# KiCad board Monorail_Diesel_Reduced.kicad_pcb
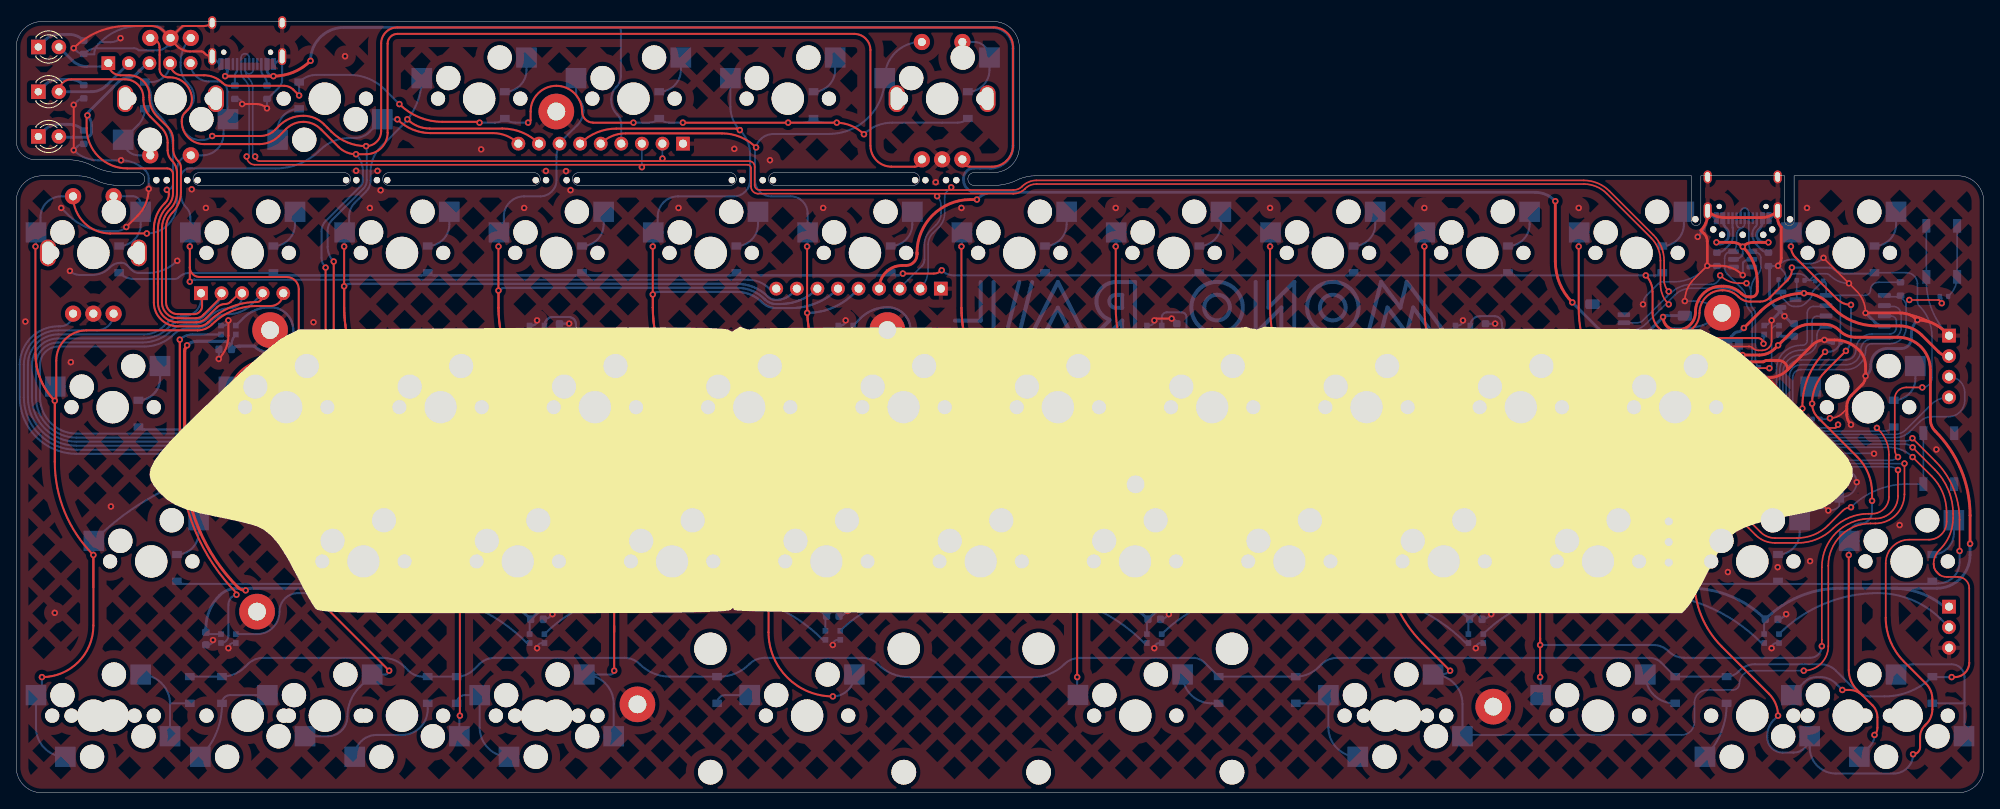
[diagram p0: board, top side]
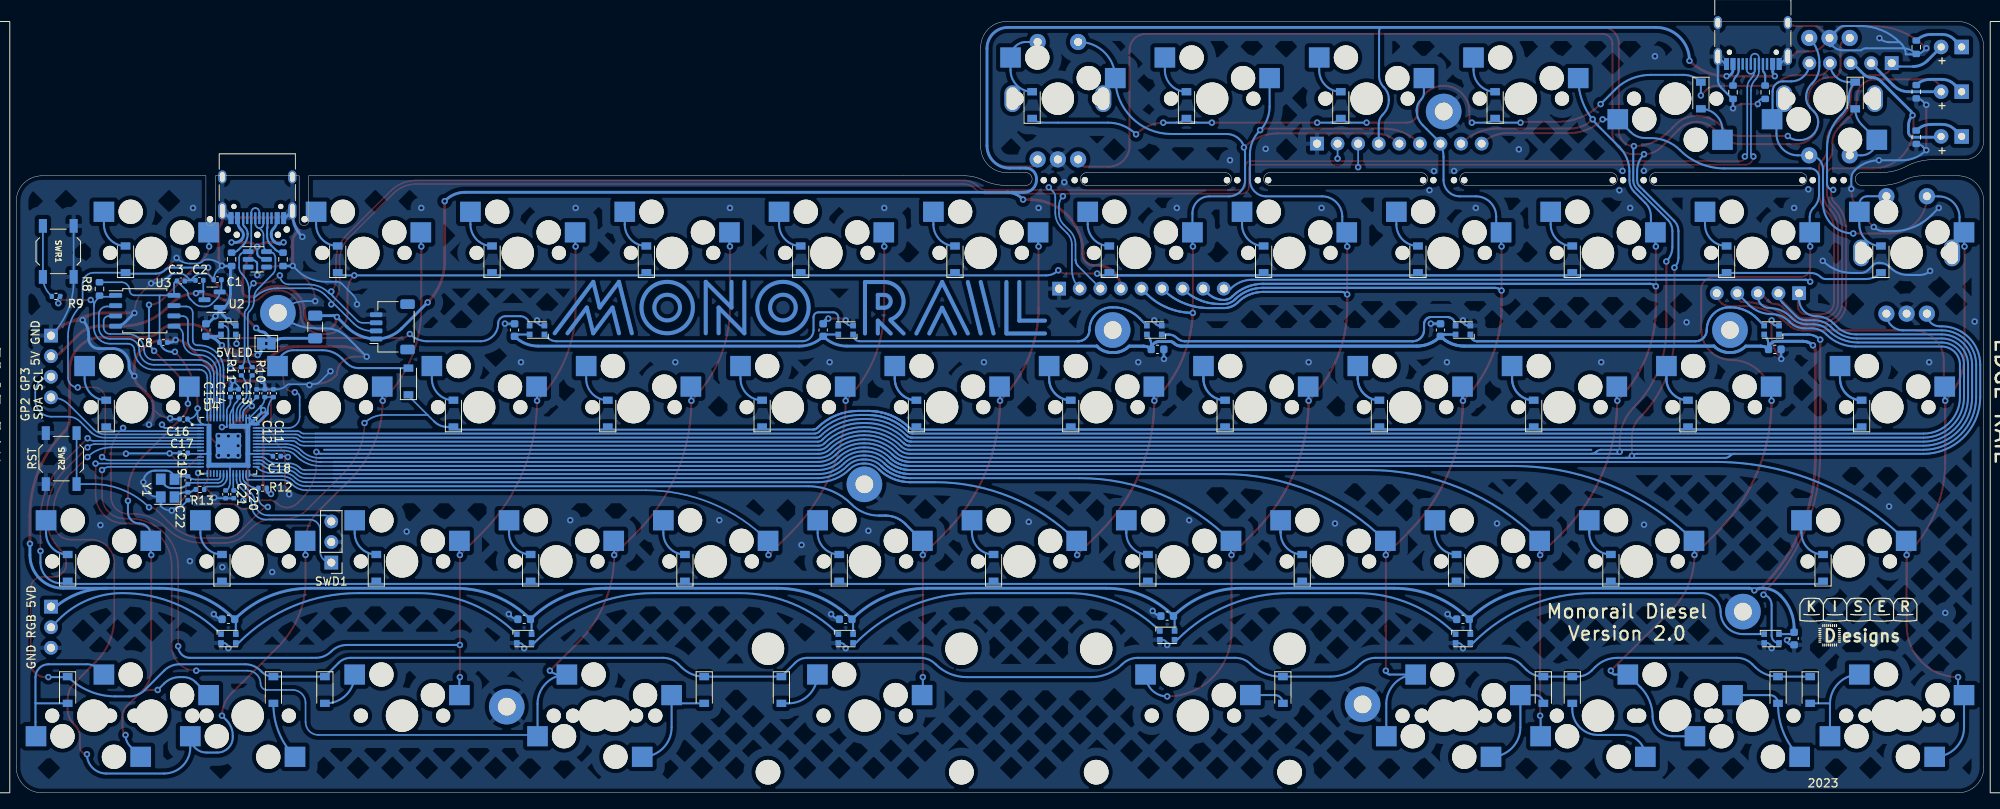
[diagram p1: board, bottom side, seen from below]

Outline 242.89 x 95.25 mm; copper layers: Top, Bottom. Coordinates in mm from the lower left corner of the outline.
Outline path: 0,92.07 arc(0.93,94.32) 3.18,95.25 120.65,95.25 arc(122.9,94.32) 123.82,92.07 123.82,79.77 arc(122.9,77.53) 120.65,76.6 118.27,76.6 arc(117.47,75.8) 118.27,75.01 120.65,75.01 arc(122.29,75.21) 123.82,75.8 arc(124.8,76.1) 125.81,76.2 206.77,76.2 206.77,70.64 arc(207.37,70.05) 207.96,70.64 207.96,76.2 218.28,76.2 218.28,70.64 arc(218.88,70.05) 219.47,70.64 219.47,76.2 239.71,76.2 arc(241.96,75.27) 242.89,73.02 242.89,3.17 arc(241.96,0.93) 239.71,0 3.18,0 arc(0.93,0.93) 0,3.17 0,73.02 arc(0.93,75.27) 3.18,76.2 7.54,76.2 arc(8.55,76.1) 9.52,75.8 arc(11.06,75.21) 12.7,75.01 15.08,75.01 arc(15.88,75.8) 15.08,76.6 12.7,76.6 arc(11.06,76.8) 9.52,77.39 arc(7.99,77.98) 6.35,78.18 2.38,78.18 arc(0.7,78.88) 0,80.57 0,92.07 ; 22.62,76.6 40.48,76.6 arc(41.27,75.8) 40.48,75.01 22.62,75.01 arc(21.83,75.8) 22.62,76.6 ; 46.04,75.01 arc(45.24,75.8) 46.04,76.6 63.9,76.6 arc(64.69,75.8) 63.9,75.01 46.04,75.01 ; 69.45,76.6 88.11,76.6 arc(88.9,75.8) 88.11,75.01 69.45,75.01 arc(68.66,75.8) 69.45,76.6 ; 93.66,76.6 110.73,76.6 arc(111.52,75.8) 110.73,75.01 93.66,75.01 arc(92.87,75.8) 93.66,76.6
Stack: Top 0.035mm / dielectric 1.51mm FR4 er 4.5 / Bottom 0.035mm

## Placement (name value [footprint] x y rotation side)
C1  10u  [C_0402_1005Metric]  218.03 63.37 0 bottom
C2  10u  [C_0402_1005Metric]  220.27 63.29 0 bottom
C3  100n  [C_0402_1005Metric]  222.56 63.21 180 bottom
C4  0.1uF  [C_0603_1608Metric]  67.07 57.15 90 bottom
C5  0.1uF  [C_0603_1608Metric]  143.27 57.15 90 bottom
C6  0.1uF  [C_0603_1608Metric]  181.37 57.15 90 bottom
C7  0.1uF  [C_0603_1608Metric]  219.47 57.15 90 bottom
C8  10u  [C_0402_1005Metric]  224.72 55.62 180 bottom
C9  0.1uF  [C_0603_1608Metric]  25.8 54.77 180 bottom
C10  0.1uF  [C_0603_1608Metric]  102 54.77 180 bottom
C11  100n  [C_0402_1005Metric]  211.14 49.35 90 bottom
C12  100n  [C_0402_1005Metric]  212.2 49.35 90 bottom
C13  1u  [C_0402_1005Metric]  213.2 49.35 90 bottom
C14  1u  [C_0402_1005Metric]  215.44 49.35 90 bottom
C15  100n  [C_0402_1005Metric]  216.44 49.35 90 bottom
C16  100n  [C_0402_1005Metric]  222.23 46.16 0 bottom
C17  100n  [C_0402_1005Metric]  222.19 41.96 0 bottom
C18  100n  [C_0402_1005Metric]  210.72 41.56 180 bottom
C19  30p  [C_0402_1005Metric]  221.7 38.61 90 bottom
C20  100n  [C_0402_1005Metric]  216.03 36.86 270 bottom
C21  100n  [C_0402_1005Metric]  217.03 36.86 270 bottom
C22  30p  [C_0402_1005Metric]  221.7 36.63 90 bottom
C23  0.1uF  [C_0603_1608Metric]  100.81 21.83 0 bottom
C24  0.1uF  [C_0603_1608Metric]  64.29 21.43 0 bottom
C25  0.1uF  [C_0603_1608Metric]  140.49 21.43 0 bottom
C26  0.1uF  [C_0603_1608Metric]  180.18 21.43 0 bottom
C27  0.1uF  [C_0603_1608Metric]  216.69 21.43 0 bottom
C28  0.1uF  [C_0603_1608Metric]  23.42 19.05 270 bottom
D1  LED  [LED_D3.0mm]  2.73 92.11 0 top
D2  LED  [LED_D3.0mm]  2.73 86.58 0 top
D3  LED  [LED_D3.0mm]  2.73 81.06 0 top
D4  D_Small  [D_SOD-123]  15.88 86.12 270 bottom
D5  D_Small  [D_SOD-123]  34.93 86.12 270 bottom
D6  D_Small  [D_SOD-123]  60.32 84.93 90 bottom
D7  D_Small  [D_SOD-123]  79.38 84.93 90 bottom
D8  D_Small  [D_SOD-123]  98.43 84.93 90 bottom
D9  D_Small  [D_SOD-123]  117.47 84.93 90 bottom
D10  D_Small  [D_SOD-123]  12.7 65.88 90 bottom
D11  D_Small  [D_SOD-123]  31.75 65.88 90 bottom
D12  D_Small  [D_SOD-123]  50.8 65.88 90 bottom
D13  D_Small  [D_SOD-123]  69.85 65.88 90 bottom
D14  D_Small  [D_SOD-123]  88.9 65.88 90 bottom
D15  D_Small  [D_SOD-123]  107.95 65.88 90 bottom
D16  D_Small  [D_SOD-123]  127 65.88 90 bottom
D17  D_Small  [D_SOD-123]  146.05 65.88 90 bottom
D18  D_Small  [D_SOD-123]  165.1 65.88 90 bottom
D19  D_Small  [D_SOD-123]  184.15 65.88 90 bottom
D20  D_Small  [D_SOD-123]  203.2 65.88 90 bottom
D21  D_Small  [D_SOD-123]  229.39 65.88 90 bottom
D22  WS2812B  [LED_WS2812B_2020]  26.19 57.15 180 bottom
D23  WS2812B  [LED_WS2812B_2020]  64.29 57.15 180 bottom
D24  WS2812B  [LED_WS2812B_2020]  102.39 57.15 180 bottom
D25  WS2812B  [LED_WS2812B_2020]  140.49 57.15 180 bottom
D26  WS2812B  [LED_WS2812B_2020]  178.59 57.15 180 bottom
D27  WS2812B  [LED_WS2812B_2020]  216.69 57.15 180 bottom
D28  D_Small  [D_SOD-123]  194.47 50.8 90 bottom
D29  D_Small  [D_SOD-123]  15.08 46.83 90 bottom
D30  D_Small  [D_SOD-123]  36.51 46.83 90 bottom
D31  D_Small  [D_SOD-123]  55.56 46.83 90 bottom
D32  D_Small  [D_SOD-123]  74.61 46.83 90 bottom
D33  D_Small  [D_SOD-123]  93.66 46.83 90 bottom
D34  D_Small  [D_SOD-123]  112.71 46.83 90 bottom
D35  D_Small  [D_SOD-123]  131.76 46.83 90 bottom
D36  D_Small  [D_SOD-123]  150.81 46.83 90 bottom
D37  D_Small  [D_SOD-123]  169.86 46.83 90 bottom
D38  D_Small  [D_SOD-123]  188.91 46.83 90 bottom
D39  D_Small  [D_SOD-123]  231.78 46.83 90 bottom
D40  D_Small  [D_SOD-123]  19.84 27.78 90 bottom
D41  D_Small  [D_SOD-123]  46.04 27.78 90 bottom
D42  D_Small  [D_SOD-123]  65.09 27.78 90 bottom
D43  D_Small  [D_SOD-123]  84.14 27.78 90 bottom
D44  D_Small  [D_SOD-123]  103.19 27.78 90 bottom
D45  D_Small  [D_SOD-123]  122.24 27.78 90 bottom
D46  D_Small  [D_SOD-123]  141.29 27.78 90 bottom
D47  D_Small  [D_SOD-123]  160.34 27.78 90 bottom
D48  D_Small  [D_SOD-123]  179.39 27.78 90 bottom
D49  D_Small  [D_SOD-123]  198.44 27.78 90 bottom
D50  D_Small  [D_SOD-123]  217.49 27.78 90 bottom
D51  D_Small  [D_SOD-123]  236.54 27.78 90 bottom
D52  WS2812B  [LED_WS2812B_2020]  100.81 19.45 0 bottom
D53  WS2812B  [LED_WS2812B_2020]  26.19 19.05 0 bottom
D54  WS2812B  [LED_WS2812B_2020]  64.29 19.05 0 bottom
D55  WS2812B  [LED_WS2812B_2020]  140.49 19.05 0 bottom
D56  WS2812B  [LED_WS2812B_2020]  180.18 19.05 0 bottom
D57  WS2812B  [LED_WS2812B_2020]  216.69 19.05 0 bottom
D58  D_Small  [D_SOD-123]  21.43 12.7 270 bottom
D59  D_Small  [D_SOD-123]  25.4 12.7 270 bottom
D60  D_Small  [D_SOD-123]  50.8 12.7 270 bottom
D61  D_Small  [D_SOD-123]  54.37 12.7 270 bottom
D62  D_Small  [D_SOD-123]  86.52 12.7 270 bottom
D63  D_Small  [D_SOD-123]  148.43 12.7 270 bottom
D64  D_Small  [D_SOD-123]  157.96 12.7 270 bottom
D65  D_Small  [D_SOD-123]  204.79 12.7 270 bottom
D66  D_Small  [D_SOD-123]  211.14 12.7 270 bottom
D67  D_Small  [D_SOD-123]  236.54 12.7 270 bottom
F1  500mA  [Fuse_1206_3216Metric]  205.98 57.53 90 bottom
G***  -  [LOGO]  121.44 38.1 0 top
G***#2  -  [LOGO]  121.44 38.1 0 top
G***#3  -  [LOGO]  15.48 21.03 180 bottom
H1  MountingHole_Pad  [Minivan-reference]  121.44 40.48 0 top
J1  Conn_01x05  [PinHeader_1x05_P2.54mm_Vertical]  11.37 90.11 90 top
J2  Conn_01x09  [PinHeader_1x09_P2.54mm_Vertical]  82.31 80.17 270 top
J3  Conn_01x09  [PinHeader_1x09_P2.54mm_Vertical]  114.14 62.26 270 top
J4  Conn_01x05  [PinHeader_1x05_P2.54mm_Vertical]  22.81 61.7 90 top
J5  USB_C_Receptacle_USB2.0  [USB_C_Receptacle_HRO_TYPE-C-31-M-12]  28.51 94.06 0 bottom
J6  USB_C_Receptacle_USB2.0  [USB_C_Receptacle_HRO_TYPE-C-31-M-12]  213.12 75.01 0 bottom
J7  Conn_01x04_Female  [JST_SH_SM04B-SRSS-TB_1x04-1MP_P1.00mm_Horizontal]  196.45 57.55 90 bottom
J8  Conn_01x04_Male  [PinHeader_1x04_P2.54mm_Vertical]  238.59 56.46 180 bottom
J9  Conn_01x03_Male  [PinHeader_1x03_P2.54mm_Vertical]  238.59 22.99 180 bottom
JP1  SolderJumper_2_Bridged  [SolderJumper-2_P1.3mm_Bridged2Bar_Pad1.0x1.5mm]  212.01 55.48 0 bottom
MX1  MX-NoLED  [MXOnly-1U-Hotswap]  114.3 85.72 0 top
MX2  MX-NoLED  [MXOnly-1U-Hotswap]  95.25 85.72 0 top
MX3  MX-NoLED  [MXOnly-1U-Hotswap]  76.2 85.72 0 top
MX4  MX-NoLED  [MXOnly-1U-Hotswap]  57.15 85.72 0 top
MX5  MX-NoLED  [MXOnly-1U-Hotswap]  38.1 85.72 180 top
MX6  MX-NoLED  [MXOnly-1U-Hotswap]  19.05 85.72 180 top
MX7  MX-NoLED  [MXOnly-1.75U-Hotswap]  226.22 66.67 0 top
MX8  MX-NoLED  [MXOnly-1U-Hotswap]  200.03 66.67 0 top
MX9  MX-NoLED  [MXOnly-1U-Hotswap]  180.97 66.67 0 top
MX10  MX-NoLED  [MXOnly-1U-Hotswap]  161.92 66.67 0 top
MX11  MX-NoLED  [MXOnly-1U-Hotswap]  142.88 66.67 0 top
MX12  MX-NoLED  [MXOnly-1U-Hotswap]  123.82 66.67 0 top
MX13  MX-NoLED  [MXOnly-1U-Hotswap]  104.78 66.67 0 top
MX14  MX-NoLED  [MXOnly-1U-Hotswap]  85.72 66.67 0 top
MX15  MX-NoLED  [MXOnly-1U-Hotswap]  66.68 66.67 0 top
MX16  MX-NoLED  [MXOnly-1U-Hotswap]  47.63 66.67 0 top
MX17  MX-NoLED  [MXOnly-1U-Hotswap]  28.58 66.67 0 top
MX18  MX-NoLED  [MXOnly-1U-Hotswap]  9.52 66.67 0 top
MX19  MX-NoLED  [MXOnly-1U-Hotswap]  147.64 47.62 0 top
MX20  MX-NoLED  [MXOnly-1.5U-Hotswap]  228.6 47.62 0 top
MX21  MX-NoLED  [MXOnly-1U-Hotswap]  204.79 47.62 0 top
MX22  MX-NoLED  [MXOnly-1U-Hotswap]  185.74 47.62 0 top
MX23  MX-NoLED  [MXOnly-1U-Hotswap]  166.69 47.62 0 top
MX24  MX-NoLED  [MXOnly-1U-Hotswap]  128.59 47.62 0 top
MX25  MX-NoLED  [MXOnly-1U-Hotswap]  109.54 47.62 0 top
MX26  MX-NoLED  [MXOnly-1U-Hotswap]  90.49 47.62 0 top
MX27  MX-NoLED  [MXOnly-1U-Hotswap]  71.44 47.62 0 top
MX28  MX-NoLED  [MXOnly-1U-Hotswap]  52.39 47.62 0 top
MX29  MX-NoLED  [MXOnly-1U-Hotswap]  33.34 47.62 0 top
MX30  MX-NoLED  [MXOnly-1.25U-Hotswap]  11.91 47.62 0 top
MX31  MX-NoLED  [MXOnly-1U-Hotswap]  233.36 28.57 0 top
MX32  MX-NoLED  [MXOnly-1U-Hotswap]  214.31 28.57 0 top
MX33  MX-NoLED  [MXOnly-1U-Hotswap]  195.26 28.57 0 top
MX34  MX-NoLED  [MXOnly-1U-Hotswap]  176.21 28.57 0 top
MX35  MX-NoLED  [MXOnly-1U-Hotswap]  157.16 28.57 0 top
MX36  MX-NoLED  [MXOnly-1U-Hotswap]  138.11 28.57 0 top
MX37  MX-NoLED  [MXOnly-1U-Hotswap]  119.06 28.57 0 top
MX38  MX-NoLED  [MXOnly-1U-Hotswap]  100.01 28.57 0 top
MX39  MX-NoLED  [MXOnly-1U-Hotswap]  80.96 28.57 0 top
MX40  MX-NoLED  [MXOnly-1U-Hotswap]  61.91 28.57 0 top
MX41  MX-NoLED  [MXOnly-1U-Hotswap]  42.86 28.57 0 top
MX42  MX-NoLED  [MXOnly-1.75U-Hotswap]  16.67 28.57 0 top
MX43  MX-NoLED  [MXOnly-1U-Hotswap]  233.36 9.52 180 top
MX44  MX-NoLED  [MXOnly-1.75U-Hotswap]  226.22 9.52 0 top
MX45  MX-NoLED  [MXOnly-1U-Hotswap]  214.31 9.52 180 top
MX46  MX-NoLED  [MXOnly-1.5U-Hotswap]  195.26 9.52 0 top
MX47  MX-NoLED  [MXOnly-1.5U-Hotswap]  171.45 9.52 180 top
MX48  MX-NoLED  [MXOnly-1.25U-Hotswap]  169.07 9.52 0 top
MX49  MX-NoLED  [MXOnly-2U-Hotswap-ReversedStabilizers]  138.14 9.53 0 top
MX50  MX-NoLED  [MXOnly-2.25U-Hotswap-ReversedStabilizers]  97.63 9.53 0 top
MX51  MX-NoLED  [MXOnly-1U-Hotswap]  66.68 9.52 180 top
MX52  MX-NoLED  [MXOnly-1.25U-Hotswap]  64.29 9.52 0 top
MX53  MX-NoLED  [MXOnly-1U-Hotswap]  47.63 9.52 180 top
MX54  MX-NoLED  [MXOnly-1.5U-Hotswap]  38.1 9.52 0 top
MX55  MX-NoLED  [MXOnly-1U-Hotswap]  28.58 9.52 180 top
MX56  MX-NoLED  [MXOnly-1.25U-Hotswap]  11.91 9.52 180 top
MX57  MX-NoLED  [MXOnly-1U-Hotswap]  9.52 9.52 0 top
NOREF  -  [unnamed]  66.68 84.14 0 top
R1  470  [R_0603_1608Metric]  8.33 92.07 270 bottom
R2  470  [R_0603_1608Metric]  8.33 86.58 270 bottom
R3  5.1k  [R_0603_1608Metric]  26.99 86.52 90 bottom
R4  5.1k  [R_0603_1608Metric]  30.96 86.52 90 bottom
R5  470  [R_0603_1608Metric]  8.33 80.96 270 bottom
R6  5.1k  [R_0603_1608Metric]  209.95 65.88 90 bottom
R7  5.1k  [R_0603_1608Metric]  216.3 65.88 90 bottom
R8  -10k  [R_0603_1608Metric]  232.61 62.23 270 bottom
R9  1k  [R_0402_1005Metric]  237.98 61.31 0 bottom
R10  27  [R_0402_1005Metric]  213.76 52.06 90 bottom
R11  27  [R_0402_1005Metric]  215.09 52.06 90 bottom
R12  5.1k  [R_0402_1005Metric]  212.47 37.63 0 bottom
R13  1k  [R_0402_1005Metric]  220.2 37.46 180 bottom
REF**  -  [breakaway-mousebites]  19.84 75.41 0 top
REF**#2  -  [breakaway-mousebites]  66.68 75.41 0 top
REF**#3  breakaway-mousebites  [breakaway-mousebites#2]  213.12 68.66 0 top
REF**#4  -  [breakaway-mousebites]  113.51 75.41 0 top
REF**#5  -  [breakaway-mousebites]  90.88 75.41 0 top
REF**#6  breakaway-mousebites  [breakaway-mousebites#3]  217.99 69.97 30 top
REF**#7  -  [breakaway-mousebites]  43.26 75.41 0 top
REF**#8  breakaway-mousebites  [breakaway-mousebites#3]  208.26 69.98 330 top
SW1  RotaryEncoder_Switch  [RotaryEncoder_Alps_EC11E-Switch_Vertical_H20mm]  114.3 85.72 90 top
SW2  RotaryEncoder_Switch  [RotaryEncoder_Alps_EC11E-Switch_Vertical_H20mm]  19.05 85.72 270 bottom
SW3  RotaryEncoder_Switch  [RotaryEncoder_Alps_EC11E-Switch_Vertical_H20mm]  9.52 66.67 90 bottom
SWD1  Conn_01x03_Female  [PinHeader_1x03_P2.54mm_Vertical]  203.99 28.43 0 bottom
SWR1  SW_SPST  [SW_SPST_TL3342]  237.69 66.86 270 bottom
SWR2  SW_SPST  [SW_SPST_TL3342]  237.33 41.27 90 bottom
U1  SRV05-4  [SOT-23-6]  213.12 65.88 180 bottom
U2  XC6206PxxxMR  [SOT-23]  218.71 60.9 0 bottom
U3  W25Q128JVS  [SOIC-8_5.23x5.23mm_P1.27mm]  227.01 59.53 180 bottom
U4  RP2040TR7  [QFN40P700X700X90-57N]  216.69 42.86 180 bottom
Y1  Crystal_GND24_Small  [Crystal_SMD_3225-4Pin_3.2x2.5mm]  224.2 37.63 90 bottom

## Library data of the parts
D22-D27 D52-D57 = -: Field4: 1
U4 = -: MANUFACTURER: Raspberry Pi; MAXIMUM_PACKAGE_HEIGHT: 0.9mm; PARTREV: 1.7.1; STANDARD: IPC 7351B

## Footprints (pads in the part's own frame, mm; a bottom-side part is the same pattern mirrored in y, then rotated)
breakaway-mousebites
  round 0.787 hole 0.787 unplated: (-2.54,0.254) (-1.27,0.254) (1.27,0.254) (2.54,0.254)
breakaway-mousebites#2
  round 0.787 hole 0.787 unplated: (-2.54,0.254) (0,0.254) (2.54,0.254)
breakaway-mousebites#3
  round 0.787 hole 0.787 unplated: (-1.27,0.254) (1.27,0.254)
C_0402_1005Metric
  rrect 0.56x0.62 smd: 1(-0.48,0) 2(0.48,0)
C_0603_1608Metric
  rrect 0.9x0.95 smd: 1(-0.775,0) 2(0.775,0)
Crystal_SMD_3225-4Pin_3.2x2.5mm
  rect 1.4x1.2 smd: 1(-1.1,-0.85) 2(1.1,-0.85) 3(1.1,0.85) 4(-1.1,0.85)
D_SOD-123
  rect 0.9x1.2 smd: 1(-1.65,0) 2(1.65,0)
Fuse_1206_3216Metric
  rrect 1.25x1.75 smd: 1(-1.4,0) 2(1.4,0)
JST_SH_SM04B-SRSS-TB_1x04-1MP_P1.00mm_Horizontal
  rrect 0.6x1.55 smd: 1(-1.5,2) 2(-0.5,2) 3(0.5,2) 4(1.5,2)
  rrect 1.2x1.8 smd: MP(-2.8,-1.875) MP(2.8,-1.875)
LED_D3.0mm
  rect 1.8x1.8 hole 0.9: 1(0,0)
  round 1.8 hole 0.9: 2(2.54,0)
LED_WS2812B_2020
  rect 0.7x0.7 smd: 1(-0.915,-0.55) 2(0.915,-0.55) 3(0.915,0.55) 4(-0.915,0.55)
Minivan-reference
  round 4.4 hole 2.2: 1(-91.709,-18.106) 1(-90.109,16.668) 1(-44.759,-29.556) 1(-13.909,16.668) 1(16.741,-2.382) 1(60.891,-29.841) 1(89.141,18.794)
MXOnly-1.5U-Hotswap
  round 1.75 hole 1.75 unplated: (-5.08,0) (5.08,0)
  round 3 hole 3 unplated: (-3.81,2.54) (2.54,5.08)
  round 3.988 hole 3.988 unplated: (0,0)
  rect 2.55x2.5 smd far side: 1(-7.085,2.54) 2(5.842,5.08)
MXOnly-1.25U-Hotswap
  round 1.75 hole 1.75 unplated: (-5.08,0) (5.08,0)
  round 3 hole 3 unplated: (-3.81,2.54) (2.54,5.08)
  round 3.988 hole 3.988 unplated: (0,0)
  rect 2.55x2.5 smd far side: 1(-7.085,2.54) 2(5.842,5.08)
MXOnly-1.75U-Hotswap
  round 1.75 hole 1.75 unplated: (-5.08,0) (5.08,0)
  round 3 hole 3 unplated: (-3.81,2.54) (2.54,5.08)
  round 3.988 hole 3.988 unplated: (0,0)
  rect 2.55x2.5 smd far side: 1(-7.085,2.54) 2(5.842,5.08)
MXOnly-1U-Hotswap
  round 1.75 hole 1.75 unplated: (-5.08,0) (5.08,0)
  round 3 hole 3 unplated: (-3.81,2.54) (2.54,5.08)
  round 3.988 hole 3.988 unplated: (0,0)
  rect 2.55x2.5 smd far side: 1(-7.085,2.54) 2(5.842,5.08)
MXOnly-2.25U-Hotswap-ReversedStabilizers
  round 3.988 hole 3.988 unplated: (-11.938,8.255) (0,0) (11.938,8.255)
  round 3.048 hole 3.048 unplated: (-11.938,-6.985) (11.938,-6.985)
  round 1.75 hole 1.75 unplated: (-5.08,0) (5.08,0)
  round 3 hole 3 unplated: (-3.81,2.54) (2.54,5.08)
  rect 2.55x2.5 smd far side: 1(-7.085,2.54) 2(5.842,5.08)
MXOnly-2U-Hotswap-ReversedStabilizers
  round 3.988 hole 3.988 unplated: (-11.938,8.255) (0,0) (11.938,8.255)
  round 3.048 hole 3.048 unplated: (-11.938,-6.985) (11.938,-6.985)
  round 1.75 hole 1.75 unplated: (-5.08,0) (5.08,0)
  round 3 hole 3 unplated: (-3.81,2.54) (2.54,5.08)
  rect 2.55x2.5 smd far side: 1(-7.085,2.54) 2(5.842,5.08)
PinHeader_1x03_P2.54mm_Vertical
  rect 1.7x1.7 hole 1: 1(0,0)
  oval 1.7x1.7 hole 1: 2(0,-2.54) 3(0,-5.08)
PinHeader_1x04_P2.54mm_Vertical
  rect 1.7x1.7 hole 1: 1(0,0)
  oval 1.7x1.7 hole 1: 2(0,-2.54) 3(0,-5.08) 4(0,-7.62)
PinHeader_1x05_P2.54mm_Vertical
  rect 1.7x1.7 hole 1: 1(0,0)
  oval 1.7x1.7 hole 1: 2(0,-2.54) 3(0,-5.08) 4(0,-7.62) 5(0,-10.16)
PinHeader_1x09_P2.54mm_Vertical
  rect 1.7x1.7 hole 1: 1(0,0)
  oval 1.7x1.7 hole 1: 2(0,-2.54) 3(0,-5.08) 4(0,-7.62) 5(0,-10.16) 6(0,-12.7) 7(0,-15.24) 8(0,-17.78) 9(0,-20.32)
QFN40P700X700X90-57N
  rrect 0.84x0.2 smd: 1(-3.435,2.6) 2(-3.435,2.2) 3(-3.435,1.8) 4(-3.435,1.4) 5(-3.435,1) 6(-3.435,0.6) 7(-3.435,0.2) 8(-3.435,-0.2) 9(-3.435,-0.6) 10(-3.435,-1) 11(-3.435,-1.4) 12(-3.435,-1.8) 13(-3.435,-2.2) 14(-3.435,-2.6) 29(3.435,-2.6) 30(3.435,-2.2) 31(3.435,-1.8) 32(3.435,-1.4) 33(3.435,-1) 34(3.435,-0.6) 35(3.435,-0.2) 36(3.435,0.2) 37(3.435,0.6) 38(3.435,1) 39(3.435,1.4) 40(3.435,1.8) 41(3.435,2.2) 42(3.435,2.6)
  rrect 0.2x0.84 smd: 15(-2.6,-3.435) 16(-2.2,-3.435) 17(-1.8,-3.435) 18(-1.4,-3.435) 19(-1,-3.435) 20(-0.6,-3.435) 21(-0.2,-3.435) 22(0.2,-3.435) 23(0.6,-3.435) 24(1,-3.435) 25(1.4,-3.435) 26(1.8,-3.435) 27(2.2,-3.435) 28(2.6,-3.435) 43(2.6,3.435) 44(2.2,3.435) 45(1.8,3.435) 46(1.4,3.435) 47(1,3.435) 48(0.6,3.435) 49(0.2,3.435) 50(-0.2,3.435) 51(-0.6,3.435) 52(-1,3.435) 53(-1.4,3.435) 54(-1.8,3.435) 55(-2.2,3.435) 56(-2.6,3.435)
  rect 3.1x3.1 smd: 57(0,0)
R_0402_1005Metric
  rrect 0.54x0.64 smd: 1(-0.51,0) 2(0.51,0)
R_0603_1608Metric
  rrect 0.8x0.95 smd: 1(-0.825,0) 2(0.825,0)
RotaryEncoder_Alps_EC11E-Switch_Vertical_H20mm
  round 2 hole 1: A(-7.5,2.5) B(-7.5,-2.5) C(-7.5,0) S1(7,-2.5) S2(7,2.5)
  rrect 3.3x2 hole 2.8x1.5: MP(0,5.6) MP(0,-5.6)
SOIC-8_5.23x5.23mm_P1.27mm
  rrect 1.6x0.6 smd: 1(-3.6,1.905) 2(-3.6,0.635) 3(-3.6,-0.635) 4(-3.6,-1.905) 5(3.6,-1.905) 6(3.6,-0.635) 7(3.6,0.635) 8(3.6,1.905)
SolderJumper-2_P1.3mm_Bridged2Bar_Pad1.0x1.5mm
  rect 1x1.5 smd: 1(-0.65,0) 2(0.65,0)
SOT-23
  rrect 1.475x0.6 smd: 1(-0.938,0.95) 2(-0.938,-0.95) 3(0.938,0)
SOT-23-6
  rrect 1.325x0.6 smd: 1(-1.137,0.95) 2(-1.137,0) 3(-1.137,-0.95) 4(1.137,-0.95) 5(1.137,0) 6(1.137,0.95)
SW_SPST_TL3342
  rect 1.7x1 smd: 1(-3.15,1.9) 1(3.15,1.9) 2(-3.15,-1.9) 2(3.15,-1.9)
unnamed
  round 4.4 hole 2.2: 1(0,0)
USB_C_Receptacle_HRO_TYPE-C-31-M-12
  round 0.65 hole 0.65 unplated: (-2.89,2.6) (2.89,2.6)
  rect 0.6x1.45 smd: A1(-3.25,4.045) A4(-2.45,4.045) A9(2.45,4.045) A12(3.25,4.045) B1(3.25,4.045) B4(2.45,4.045) B9(-2.45,4.045) B12(-3.25,4.045)
  rect 0.3x1.45 smd: A5(-1.25,4.045) A6(-0.25,4.045) A7(0.25,4.045) A8(1.25,4.045) B5(1.75,4.045) B6(0.75,4.045) B7(-0.75,4.045) B8(-1.75,4.045)
  oval 1x1.6 hole 0.6x1.2: S1(-4.32,-1.05) S1(4.32,-1.05)
  oval 1x2.1 hole 0.6x1.7: S1(-4.32,3.13) S1(4.32,3.13)

## Nets
+1V1: C13.1 C15.1 C20.1 U4.23 U4.45 U4.50
+3V3: C1.1 C3.1 C8.1 C11.1 C12.1 C14.1 C16.1 C17.1 C18.1 C21.1 R8.1 R12.1 U2.2 U3.8 U4.1 U4.10 U4.22 U4.33 U4.42 U4.43 U4.44 U4.48 U4.49
+5V: C2.1 F1.1 J8.2 JP1.1 U2.3
+5VD: C4.1 C5.1 C6.1 C7.1 C9.1 C10.1 C23.1 C24.1 C25.1 C26.1 C27.1 C28.1 D22.1 D23.1 D24.1 D25.1 D26.1 D27.1 D52.1 D53.1 D54.1 D55.1 D56.1 D57.1 J9.1 JP1.2
GND: C1.2 C2.2 C3.2 C4.2 C5.2 C6.2 C7.2 C8.2 C9.2 C10.2 C11.2 C12.2 C13.2 C14.2 C15.2 C16.2 C17.2 C18.2 C19.2 C20.2 C21.2 C22.1 C23.2 C24.2 C25.2 C26.2 C27.2 C28.2 D22.3 D23.3 D24.3 D25.3 D26.3 D27.3 D52.3 D53.3 D54.3 D55.3 D56.3 D57.3 H1.1 J2.1 J3.1 J5.A1 J5.A12 J5.B1 J5.B12 J5.S1 J6.A1 J6.A12 J6.B1 J6.B12 J6.S1 J7.4 J8.1 J9.3 NOREF.1 R1.2 R2.2 R3.1 R4.1 R5.2 R6.1 R7.1 SW1.C SW2.C SW3.C SWD1.2 SWR1.1 SWR2.1 U1.2 U2.1 U3.4 U4.19 U4.57 Y1.2 Y1.4
VCC: F1.2 J2.4 J3.4 J5.A4 J5.A9 J5.B4 J5.B9 J6.A4 J6.A9 J6.B4 J6.B9 J7.1 U1.5
COL0: J1.5 J4.5 MX6.1 MX18.1 MX30.1 MX42.1 MX56.2 MX57.1 SW2.S1 SW3.S1 U4.35
COL1: J2.9 J3.9 MX5.1 MX17.1 MX29.1 MX41.1 MX54.2 MX55.1 U4.34
COL2: J2.8 J3.8 MX4.1 MX16.1 MX28.1 MX40.1 MX53.1 U4.32
COL3: J2.7 J3.7 MX3.1 MX15.1 MX27.1 MX39.1 MX51.1 MX52.2 U4.31
COL4: J2.6 J3.6 MX2.1 MX14.1 MX26.1 MX38.1 MX50.2 U4.30
COL5: J2.5 J3.5 MX1.1 MX13.1 MX25.1 MX37.1 SW1.S2 U4.29
COL6: MX12.1 MX24.1 MX36.1 MX49.1 U4.28
COL7: MX11.1 MX19.1 MX35.1 U4.27
COL8: MX10.1 MX23.1 MX34.1 MX47.1 MX48.2 U4.13
COL9: MX9.1 MX22.1 MX33.1 MX46.1 U4.14
COL10: MX8.1 MX21.1 MX32.1 MX45.1 U4.8
COL11: MX7.1 MX20.1 MX31.1 MX43.2 MX44.1 U4.2
D+: J2.2 J3.2 J5.A6 J5.B6 J6.A6 J6.B6 J7.3 R11.2 U1.1
D-: J2.3 J3.3 J5.A7 J5.B7 J6.A7 J6.B7 J7.2 R10.2 U1.6
ENCA: SW1.B SW2.B SW3.A U4.15
ENCB: SW1.A SW2.A SW3.B U4.36
LED1: D1.2 J1.1 J4.1 U4.37
LED2: D2.2 J1.2 J4.2 U4.38
LED3: D3.2 J1.3 J4.3 U4.39
QSPI_CLK: U3.6 U4.52
QSPI_D0: U3.5 U4.53
QSPI_D1: U3.2 U4.55
QSPI_D2: U3.3 U4.54
QSPI_D3: U3.7 U4.51
QSPI_SS: R8.2 R9.1 U3.1 U4.56
RGB: D27.4 U4.41
RGB_OUT: D57.2 J9.2
ROW0: D10.1 D11.1 D12.1 D13.1 D14.1 D15.1 D16.1 D17.1 D18.1 D19.1 D20.1 D21.1 U4.12
ROW1: D28.1 D29.1 D30.1 D31.1 D32.1 D33.1 D34.1 D35.1 D36.1 D37.1 D38.1 D39.1 U4.3
ROW2: D40.1 D41.1 D42.1 D43.1 D44.1 D45.1 D46.1 D47.1 D48.1 D49.1 D50.1 D51.1 U4.6
ROW3: D58.1 D59.1 D60.1 D61.1 D62.1 D63.1 D64.1 D65.1 D66.1 D67.1 U4.7
ROW4: D4.1 D5.1 D6.1 D7.1 D8.1 D9.1 J1.4 J4.4 U4.40
RUN: R12.2 SWR2.2 U4.26
SCL: J8.3 U4.5
SDA: J8.4 U4.4
SWCLK: SWD1.1 U4.24
SWDIO: SWD1.3 U4.25
XIN: C19.1 U4.20 Y1.3
XOUT: R13.2 U4.21
Net-(C6-Pad2): C22.2 R13.1 Y1.1
Net-(D1-Pad2): D4.2 MX6.2 SW2.S2
Net-(D2-Pad2): D5.2 MX5.2
Net-(D3-Pad2): D6.2 MX4.2
Net-(D4-Pad2): D7.2 MX3.2
Net-(D5-Pad2): D8.2 MX2.2
Net-(D6-Pad2): D9.2 MX1.2 SW1.S1
Net-(D7-Pad2): D10.2 MX18.2 SW3.S2
Net-(D8-Pad2): D11.2 MX17.2
Net-(D9-Pad2): D12.2 MX16.2
Net-(D10-Pad2): D13.2 MX15.2
Net-(D11-Pad2): D14.2 MX14.2
Net-(D12-Pad2): D15.2 MX13.2
Net-(D13-Pad2): D16.2 MX12.2
Net-(D14-Pad2): D17.2 MX11.2
Net-(D15-Pad2): D18.2 MX10.2
Net-(D16-Pad2): D19.2 MX9.2
Net-(D17-Pad2): D20.2 MX8.2
Net-(D18-Pad2): D21.2 MX7.2
Net-(D19-Pad2): D29.2 MX30.2
Net-(D20-Pad2): D30.2 MX29.2
Net-(D21-Pad2): D31.2 MX28.2
Net-(D22-Pad2): D32.2 MX27.2
Net-(D23-Pad2): D33.2 MX26.2
Net-(D24-Pad2): D34.2 MX25.2
Net-(D25-Pad2): D35.2 MX24.2
Net-(D26-Pad2): D36.2 MX19.2
Net-(D27-Pad2): D37.2 MX23.2
Net-(D28-Pad2): D38.2 MX22.2
Net-(D29-Pad2): D28.2 MX21.2
Net-(D30-Pad2): D39.2 MX20.2
Net-(D31-Pad2): D40.2 MX42.2
Net-(D32-Pad2): D41.2 MX41.2
Net-(D33-Pad2): D42.2 MX40.2
Net-(D34-Pad2): D43.2 MX39.2
Net-(D35-Pad2): D44.2 MX38.2
Net-(D36-Pad2): D45.2 MX37.2
Net-(D37-Pad2): D46.2 MX36.2
Net-(D38-Pad2): D47.2 MX35.2
Net-(D39-Pad2): D48.2 MX34.2
Net-(D40-Pad2): D49.2 MX33.2
Net-(D41-Pad2): D50.2 MX32.2
Net-(D42-Pad2): D51.2 MX31.2
Net-(D43-Pad2): D58.2 MX56.1 MX57.2
Net-(D44-Pad2): D59.2 MX54.1 MX55.2
Net-(D45-Pad2): D60.2 MX53.2
Net-(D47-Pad2): D62.2 MX50.1